# Altium PCB old PT1000_16CH.PCBDOC (part 3 of 5) (continued)
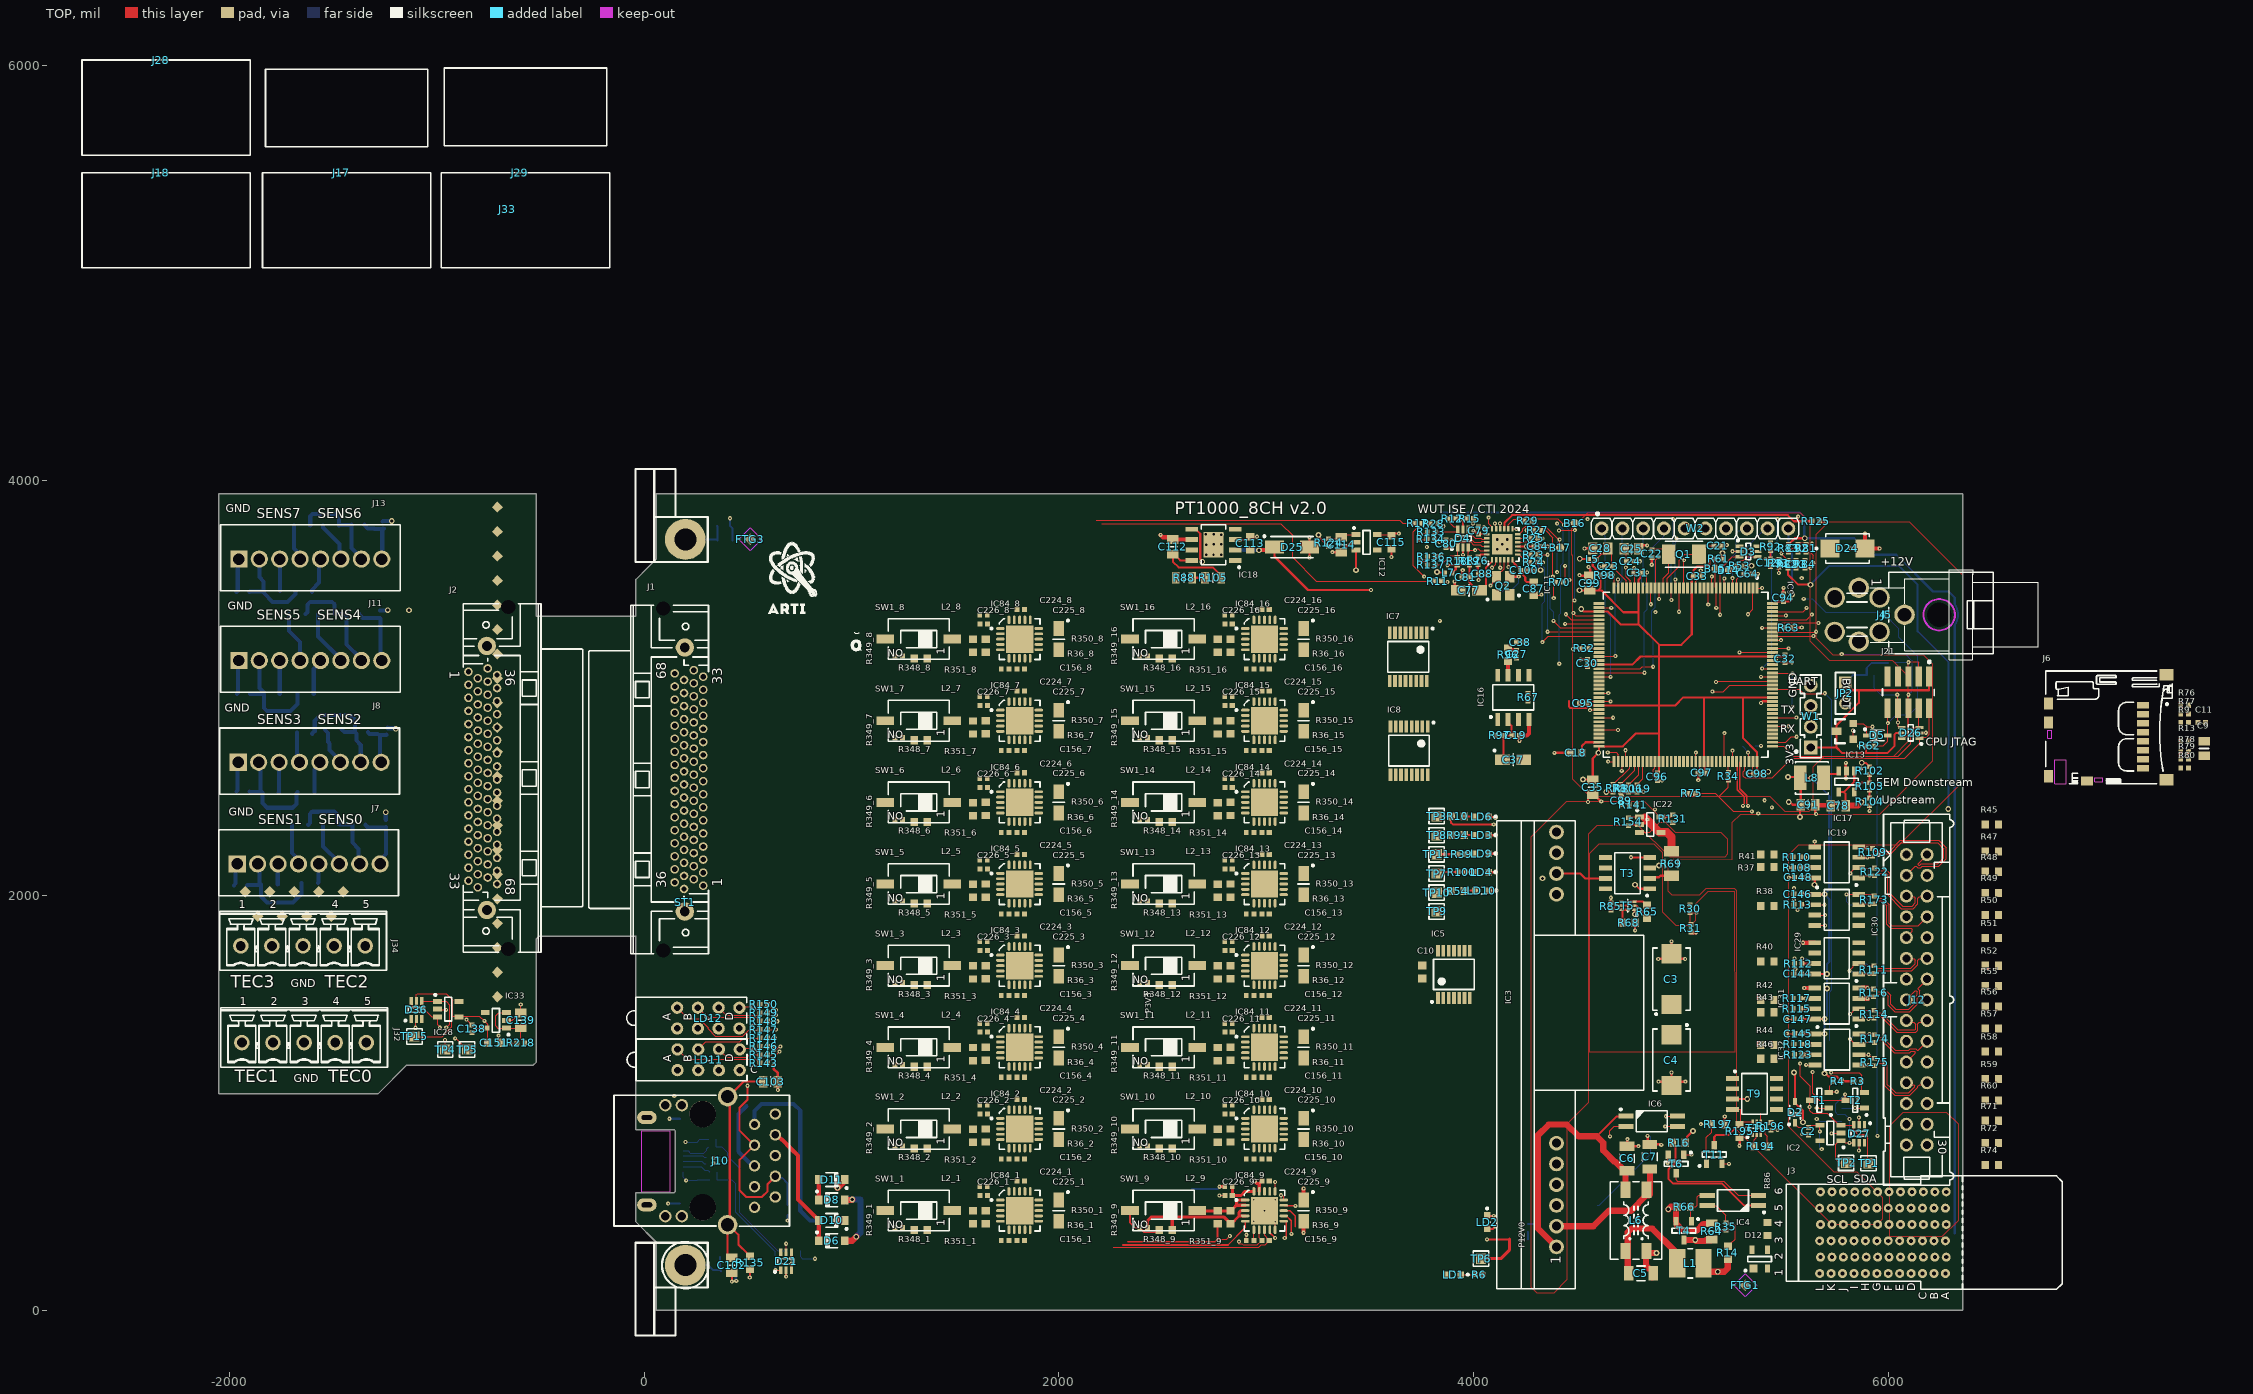
[diagram p0: TOP view]
## Nets (pads, with @x,y where several pads share a name; then routed paths per layer and width w, separated by ;. In a path a pad name is that pad's centre, name@x,y a point inside that pad or via, vN(x,y) a via of type N, cw(c..) or ccw(c..) an arc to the next point about the centre after c; other vN are vias at no path point) (continued)
  TOP w6: IC84_9.16@3043.31,572.83 v1(3043.31,618.23)
  TOP w10: v1(423.4,137.97) C102.2@423.4,181.57 ; v1@511.81,159.45 R135.1@511.81,196.85 ; D21.2@685.04,192.91 685.04,162.33 v1(685.19,162.18) ; v1(3209.13,3629.72) D25.2@3209.13,3679.61 ; D25.2@3209.13,3680.62 v1(3209.13,3726.73) ; v1(3603.54,3631.9) C115.1@3603.54,3670.7 ; LD2.1@4067.9,454.72 v1(4097.59,454.72) ; v1(4779.46,1831.42) 4779.67,1831.63 4779.67,1833.85 4779.52,1834 R68.1@4779.52,1868.42
  TOP w11.81: v1(625.11,1180.36) 625.11,1163.78 645.67,1143.22 C103.2@645.67,1102.36 v1(645.67,1061.94) ; v1(3319.63,3655.45) 3362.05,3655.45 C114.2@3362.44,3655.84 3369.33,3655.84 3384.09,3670.6 3384.09,3677.49 3404.54,3697.94 3428.16,3697.94 IC12.2@3433.3,3703.08 ; C77.2@3909,3489.41 v1(3909,3513.78) ; C81.1@3944.67,3535.43 v1@3944.67,3561.49 ; v1(3949.2,3642.59) D4.2@3949.2,3678.35 ; R26.2@4021.45,3594.69 4021.45,3553.15 C88.1@4024.4,3550.2 v1(4024.4,3521.4) ; LD10.1@4072.38,2023.03 v5@4106.83,2023.03 ; LD4.1@4072.38,2112.43 v5(4106.83,2112.43) ; LD9.1@4072.38,2201.83 v5(4106.83,2201.83) ; LD3.1@4072.38,2291.23 v5(4106.83,2291.23) ; LD6.1@4072.38,2380.63 4074.57,2378.44 4102.95,2378.44 v5(4105.14,2376.25) ; Q2.2@4174,3537.4 v1(4218.25,3537.4) ; C100.1@4265.82,3565.67 v1(4290.93,3565.67) ; v1(4390,2687.74) C18.1@4463.09,2687.74 ; v1(4511.35,3544.75) 4514.04,3542.07 C99.2@4560.15,3542.07 4562.03,3543.95 4562.03,3573.59 4555.23,3580.39 v1(4555.23,3583.86) ; v1(4515.07,3138.52) C30.2@4549.32,3138.52 ; v1(4535.15,3673.27) C28.1@4575.67,3673.27 ; v1(4552,2451) C35.2@4552,2468.05 ; C35.2@4581.98,2486.22 v1@4614.2,2454 ; R8.2@4708.66,2498.43 4709.84,2497.24 R106.2@4748.03,2497.24 R119.2@4787.4,2497.24 4790.13,2499.97 v1(4819.5,2499.97) ; v1(4742.15,825) 4742.15,793.33 C6.1@4740.16,791.34 v1(4795.15,791.34) ; R154.1@4747.16,2337.73 4751.2,2341.76 IC22.2@4801.18,2341.76 4807.09,2347.67 4822.51,2347.67 4823.85,2349 4826.82,2349 4836.17,2358.35 4836.17,2365.46 v1(4837.67,2366.96) ; C25.1@4799.25,3673.68 4813.9,3688.32 v1(4836.96,3688.32) ; v1(4839.29,840.93) 4839.29,810.31 C7.1@4850.39,799.21 4902.94,799.21 v1(4905.15,797) ; v1(4859.66,3594.82) C22.2@4859.66,3630.19 ; v1@4891.2,1693.9 4929.79,1693.9 C3.2@4954.72,1718.83 ; v1(4891.86,1102.22) 4936.83,1102.22 C4.2@4954.72,1084.33 ; v1(4954.72,1146.05) C4.2@4954.72,1084.33 ; v1(4954.72,1778.75) C3.2@4954.72,1718.83 ; v1(5020.74,1693.7) 5020.4,1694.04 4979.52,1694.04 C3.2@4954.72,1718.83 ; v1(5021.38,1102.22) 4978.68,1102.22 4957.76,1081.3 C4.2@4954.72,1084.33 ; v1(5083.77,2556.24) C97.2@5083.77,2591.28 ; v1(5095.72,3567.1) 5095.8,3567.03 5095.8,3539.91 C33.2@5095.88,3539.83 ; C21.2@5194.29,3686.21 5196.72,3688.63 5220.2,3688.63 v1(5221.71,3690.14) ; R197.1@5210.63,897.01 v1@5210.63,933.57 ; v1@5283.07,794.3 R195.1@5283.07,832.53 ; C64.2@5340.66,3550.68 v1(5371.97,3550.68) ; v1(5386.22,2928.15) v1(5386.22,2928.15) 5393.91,2935.77 IC9.120@5441.06,2935.77 ; C94.2@5494.21,3453.49 v1@5494.21,3482.66 ; C32.2@5503.06,3124.74 v1(5535.93,3124.74) ; R63.2@5538.19,3291.34 v1@5581.76,3291.34 ; v1@5648.9,2399.2 C91.2@5648.9,2437.49 ; C78.1@5734.43,2441.74 v1(5758.64,2441.74) ; v1(5795.34,2564.54) 5795.34,2597.21 IC17.2@5798.69,2600.55 IC17.2@5797.21,2599.08 ; IC17.2@5795.74,2600.55 v1(5795.74,2639.58)
  TOP w19.68: v1(3181.1,373.51) C225_9.2@3181.1,429.13 ; R125.1@5669.49,3804.13 v1(5698.82,3804.13)
  TOP w20: v1(2491.14,3739) 2502.94,3727.2 2538.54,3727.2 2549.51,3716.24 2641.44,3716.24 IC18.6@2641.73,3715.94 ; v1(4221.46,2746.2) C19.2@4221.46,2771.65 4256.78,2771.65 4266.8,2781.68 IC16.4@4266.8,2848.87 ; C84.1@4326.37,3683.07 v1(4357.34,3683.07) ; R31.1@5048.57,1823.48 5049.5,1822.56 v1(5072.77,1822.56) ; v1(5589,1771.79) IC29.5@5645.41,1771.79 ; v1(5595.02,1553.9) 5595.14,1553.79 IC31.5@5645.41,1553.79 ; C91.2@5648.9,2437.49 5651.05,2435.35 5721.14,2435.35 C78.1@5723.29,2433.2 ; v1@5820.21,3673.23 D24.2@5887.8,3673.23 ; v1@5887.8,3743.09 D24.2@5887.8,3673.23 ; v1@5958.3,3673.23 D24.2@5887.8,3673.23
  L2 w5: v1(4954.72,1146.05) v1@4955.15,1146.48 ; 5034.52,2366.96 5034.56,2367
  BOT w5: J9.5@188.98,667.32 188.98,640 v1(202.99,625.98) J9.11@255.91,625.98 258.86,628.94 C108.1@316.34,628.94 ; v1(199.99,811.02) J9.10@255.91,811.02 269.88,825 C109.1@311.91,825 ; C36.1@4156.29,3532.48 4209.36,3532.48 4214.28,3537.4 v1(4218.25,3537.4) 4218.25,3508.25 C65.1@4174.78,3464.78 ; C17.1@5355.09,2721.2 v1(5386.19,2721.2) ; v1@5605,1185 5607,1183 5645.54,1183 IC41.5@5646.65,1181.89 ; IC23.4@5644,2239 5645.42,2240.42 v1(5645.42,2259.84) ; IC39.5@5645.42,1855.37 v1(5695.7,1855.37) ; C29.2@6033.18,3121.94 6035.99,3124.74 v1(6096.85,3124.74) v1@6094.04,3121.94
  BOT w10: v1(116.14,513.78) J9.9@173.23,513.78 ; v1(122.05,923.23) J9.8@173.23,923.23 ; v1(414.37,3818.9) 415.06,3818.21 R220.1@415.06,3782.42 426.18,3771.3 C160.2@426.18,3713.06 ; R223.1@429.4,255.4 429.4,200.1 C161.2@442.49,187.01 442.49,137.97 444.92,140.4 v1(444.92,141.59) ; C85.1@692.02,459.52 692.57,458.97 692.57,432.52 v1(693.12,431.98)
  BOT w19.68: R156.1@-1977.5,2049 -1969.62,2056.87 -1969.62,2149.89 J7.1@-1961.55,2157.96 ; R162.1@-1965.5,2501 -1961.05,2505.45 -1961.05,2660.05 J8.1@-1963,2662 ; R181.1@-1964.5,3464 -1959.05,3469.45 -1959.05,3622.64 J13.1@-1953.6,3628.09 ; R170.1@-1963.5,2971 -1958.57,2975.92 -1958.57,3134.13 J11.1@-1953.65,3139.06 ; C130.1@-1273,3373.72 -1271.86,3374.86 -1237.14,3374.86 v2(-1236,3376) ; C131.1@-1260,3803.72 -1258.86,3804.86 -1218.14,3804.86 v2(-1217,3806) ; v2(-1245.75,2401.72) -1245.38,2401.35 -1245.38,2365.09 C128.1@-1245,2364.72 ; C129.1@-1236,2808.72 -1233.64,2806.35 -1201.03,2806.35 -1199.13,2804.46 v2(-1197,2804.46)
  BOT w20: v1(5589,1771.79) IC36.4@5645.41,1771.79 ; v1(5595.02,1553.9) 5645.3,1553.9 IC40.4@5645.41,1553.79
  other v1: 3071.46,554.41 4890.99,1693.7 5652.18,2392.52 5373.03,2395.63 5439,2425.01 5403.87,2458.95 4664.37,3386.81 5818.77,3673.07 5958.3,3673.07 5887.95,3744.89
  other v3: 2746.27,3643.33 2783,3643 2711,3644 2712,3691 2747,3693 2783,3693 2784,3740 2709,3741 2747,3741
  other v4: 3044.8,426.94 2940.94,429.13 2992.13,480.31 2940.94,533.15 3043.31,533.15
  other v5: 4109.78,2023.03
  other v6: 4114.95,3669.29 4162.19,3669.29 4138.57,3692.91 4114.95,3716.54 4162.2,3716.53
HWREV0: IC9.77 R7.1 | length 145.1
  TOP w5: R7.1@4673.23,2535.43 4674.02,2535.43 4752.61,2614.03 4752.61,2641.02 IC9.77@4757,2645.41
HWREV1: IC9.78 R8.1 | length 138.6
  TOP w5: R8.1@4708.66,2535.43 4709.45,2535.43 4776.69,2602.67 IC9.78@4776.69,2645.41
HWREV2: IC9.79 R106.1 | length 131.6
  TOP w5: R106.1@4748.03,2534.25 4748.82,2534.25 4796.37,2581.8 IC9.79@4796.37,2645.41
HWREV3: IC9.80 R119.1 | length 123.5
  TOP w5: R119.1@4787.4,2534.25 4788.19,2534.25 4816.06,2562.12 IC9.80@4816.06,2645.41
I2C1_SCL: IC9.139 | length 223.5
  TOP w5: IC9.139@5441.06,3309.78 5485.4,3309.78 5489.61,3314 v1(5662.78,3314)
I2C1_SDA: IC9.140 | length 200.5
  TOP w5: IC9.140@5441.06,3329.47 5606.7,3329.47 v1(5631.32,3354.09)
I2C4_SCL: R3.1 T2.2 | length 244
  TOP w5: v1(5724.42,1146) 5860.28,1146 5872.32,1133.96 R3.1@5872.32,1103.94 5872.32,1060.1 5882.62,1049.8 T2.2@5885.32,1049.8
I2C4_SDA: R4.1 T1.2 | length 93.4
  TOP w5: R4.1@5736.95,1103.94 5736.95,1103.15 5717.03,1083.24 5717.03,1053.26 v1(5751.46,1053.26)
I2C_SCL: D27.4 IC1.2 IC2.1 J12.27 T2.3 TP2.1 | length 1118.5
  TOP w5: v1(5635.57,1148.62) 5635.57,1045.14 5668.31,1012.4 T2.3@5794.76,1012.4 5792.07,1015.1 v1(5792.07,1040.93) ; TP2.1@5796.65,710.7 5764.15,710.7 5746.16,728.7 5746.16,800.63 5762.54,817.02 5782.22,817.02 5792.07,807.17 v1(5813.1,807.17) D27.4@5834.13,807.17
  L2 w5: v1(5813.04,922) 5838.25,896.79 J12.27@6087.18,896.79
  BOT w5: v1(5792.07,1040.93) 5747,995.87 5747,954 5755,946 5790.33,946 v1@5813.1,923.23 ; v1(5813.1,807.17) v1(5813.04,922)
I2C_SCL.CPCIS: IC5.9 IC5.10
I2C_SDA: D27.3 IC1.1 IC2.3 J12.26 T1.3 TP1.1 | length 1332.7
  TOP w5: v1(5575.07,1188.98) 5575.07,1127.83 5623.03,1079.87 T1.3@5623.03,1012.41 5621,1010.38 v1(5621,980) 5621.57,979.43 5621.57,962.66 5635.57,948.66 5705.7,948.66 5762.54,891.82 IC2.3@5772.38,891.82 5832.17,891.82 D27.3@5834.13,893.79 5834.13,867.59 5853.44,848.28 5881.39,848.28 5900.69,828.98 5900.69,712.97 TP1.1@5905,708.66
  L2 w5: v1(5621,980) 5621,985 5646.89,1010.89 5957.89,1010.89 5982.78,1035.78 6148.18,1035.78 6181.15,1002.82 6187.18,1002.82 J12.26@6187.18,996.79
I2C_SDA.CPCIS: IC5.2 IC5.3
I_meas_P12V0: C89.1 IC9.20 R141.2 | length 229.7
  TOP w5: v1(4991,3368.13) 4992.11,3369.24 4992.11,3478.7 4991,3479.81 IC9.20@4993.22,3482.03
  L2 w5: v1(4877,3366.5) v1@4991,3366.5
  other v1: 4875.11,2414.92
JRST: IC9.134
LED0: IC9.124 R143.1 | length 383.5
  TOP w5: R143.1@595.85,1191.18 595.85,1191.97 650.99,1247.1 v1(653.35,1247.1) ; v1(5151.57,2983.27) 5205.39,2983.27 5236.63,3014.51 IC9.124@5441.06,3014.51
LED1: IC9.125 R144.1 | length 310
  TOP w5: R144.1@595.85,1312.47 v1(632.09,1312.47) ; v1(5169.29,3029.37) 5171.7,3031.78 5438.65,3031.78 IC9.125@5441.06,3034.19
LED2: IC9.59 R145.1 | length 124.2
  TOP w5: R145.1@595.85,1231.61 614.77,1231.61 632.56,1249.4 632.56,1250.84 650.35,1268.63 654.64,1268.63 v1(657.45,1271.44) ; IC9.59@4604.44,2975.14 4604.57,2975.27 4649.48,2975.27 v1(4649.61,2975.39)
LED3: IC9.63 R146.1 | length 78
  TOP w5: R146.1@595.85,1272.04 596.2,1272.38 v1(629.58,1272.38) ; v1(4561.56,2893.47) 4570.01,2893.47 4572.94,2896.4 IC9.63@4604.44,2896.4
LED4: IC9.65 R147.1 | length 109.5
  TOP w5: R147.1@595.85,1352.9 v1(636.56,1352.9) ; IC9.65@4604.44,2857.03 v1(4673.23,2857.03)
LED5: IC9.132 R148.1 | length 206.1
  TOP w5: R148.1@595.85,1393.33 v1(643.31,1393.33) ; v1(5282.48,3172.15) 5282.56,3172.07 5440.98,3172.07 IC9.132@5441.06,3171.99
LED6: IC9.68 R149.1 | length 137.1
  TOP w5: R149.1@595.85,1433.76 606.68,1422.93 v1(635.92,1422.93) ; IC9.68@4604.44,2797.97 v1(4697.01,2797.97)
LED7: IC9.93 R150.1 | length 95.4
  TOP w5: R150.1@595.85,1474.19 622.14,1447.91 v1(636.84,1447.91) ; IC9.93@5071.96,2645.41 v1(5071.96,2688.98)
LEDR: IC11.2 R17.1 R28.1 | length 727.7
  TOP w6: v1(3761.98,3537.4) 3709.56,3589.82 3709.56,3753.25 3741.35,3785.04 3742.14,3785.04 3750.55,3793.46 R17.1@3750.55,3794.24 3789.92,3794.24 R28.1@3790.85,3793.31 ; v1(4089.36,3580.39) 4106.53,3597.56 4106.53,3615.6 IC11.2@4109.04,3618.11
  L2 w6: v1(3761.98,3537.4) 3884.64,3537.4 3898.2,3550.96 4059.94,3550.96 v1(4089.36,3580.39)
LEDY: IC11.3 R11.1 | length 351.7
  TOP w6: R11.1@3845.28,3515.75 3849.73,3511.29 v1(3874.09,3511.29) ; v1(4128.73,3580.36) IC11.3@4128.73,3618.11
  L2 w6: v1(3874.09,3511.29) 3902.76,3539.96 4088.33,3539.96 v1(4128.73,3580.36)
LVDS0_N: IC19.4 IC23.5 J12.3 R47.2 R109.2 | length 752
  TOP w5.98: v1(5899,2227.13) 5902.71,2227.13 5905.35,2224.49 5922.94,2224.49 R109.2@5924.98,2226.53 5925.77,2226.53 5934.19,2218.11 5934.19,2217.53 5937.7,2214.02 6006.22,2214.02 6057.84,2265.64 6243.22,2265.64 6279.7,2229.15 6279.7,2177.57 6242.62,2140.49 6164.76,2140.49 6157.32,2133.06 6142.44,2133.06 6135.42,2140.07 6130.47,2140.07 J12.3@6087.18,2096.79
  BOT w5: IC23.5@5858.02,2234.29 5865.3,2227 v1@5899,2227
LVDS0_P: IC19.3 IC23.6 J12.2 R45.2 R109.1 | length 701.2
  TOP w5.98: v1(5899,2182.33) 5902.71,2182.33 5905.35,2184.97 5920.43,2184.97 R109.1@5924.98,2189.52 5925.77,2189.52 5934.19,2197.95 5934.19,2198.53 5937.7,2202.04 6011.19,2202.04 6062.81,2253.65 6238.25,2253.65 6247.43,2244.47 6255.91,2236 6267.72,2224.19 6267.72,2182.54 6237.66,2152.48 6159.8,2152.48 6152.36,2145.04 6147.4,2145.04 6143.9,2148.55 6143.9,2153.5 J12.2@6187.18,2196.79
  BOT w5: IC23.6@5858.02,2184.29 5859.98,2182.33 v1(5899,2182.33)
LVDS1_N: IC19.1 IC23.7 J12.6 R49.2 R122.1 | length 587
  TOP w5.98: IC19.1@5858.02,2084.29 5876.72,2084.29 5887.43,2095 5909,2095 R122.1@5934.69,2095 5935.47,2095 5943.9,2103.42 5943.9,2104 5947.4,2107.51 5990.08,2107.51 5998.63,2098.96 5998.63,2002.25 6063.82,1937.07 6121.36,1937.07 6143.17,1958.88 6143.17,1986.28 6150.21,1993.33 6183.72,1993.33 J12.6@6187.18,1996.79
  BOT w5: IC23.7@5858.02,2134.29 5894.66,2134.29 5909,2119.95 v1(5909,2097)
LVDS1_P: IC19.2 IC23.8 J12.5 R48.2 R122.2 | length 589.7
  TOP w5.98: v1(5817.01,2106.59) 5817.01,2109.48 5824.48,2116.95 5824.48,2117.68 5830.5,2123.69 5830.5,2125.47 5839.32,2134.29 IC19.2@5858.02,2134.29 5860.3,2132 R122.2@5934.69,2132 5935.47,2132 5943.9,2123.58 5943.9,2123 5947.4,2119.49 5995.04,2119.49 6010.62,2103.92 6010.62,2007.22 6029.75,1988.08 6033.99,1983.85 6068.78,1949.05 6116.4,1949.05 6131.19,1963.84 6131.19,1986.28 6124.15,1993.33 6090.64,1993.33 J12.5@6087.18,1996.79
  BOT w5: v1(5817.01,2106.59) 5819,2104.6 5839.32,2084.29 IC23.8@5858.02,2084.29
LVDS2_N: IC30.7 IC39.1 J12.9 R51.2 R173.1 | length 509.2
  TOP w5.98: IC30.7@5858.01,1955.38 5862.48,1959.84 R173.1@5932.4,1959.84 5933.19,1959.84 5947.65,1974.3 5964.47,1974.3 5970.46,1974.3 5993.41,1951.35 5993.41,1860.66 6012.55,1841.52 6111.47,1841.52 6114.97,1838.01 6114.97,1826.23 6087.18,1798.44 J12.9@6087.18,1796.79
  BOT w5: IC39.1@5858.02,2005.37 5876.72,2005.37 5909,1973.09 v1(5909,1955.37)
LVDS2_P: IC30.8 IC39.2 J12.8 R50.2 R173.2 | length 623.3
  TOP w5.98: v1(5798.69,2005.28) 5798.79,2005.38 5919.69,2005.38 5919.79,2005.28 5923.98,2005.28 R173.2@5932.4,1996.85 5933.19,1996.85 5943.76,1986.28 5954.94,1986.28 5975.43,1986.28 6005.4,1956.31 6005.4,1865.62 6017.52,1853.5 6116.43,1853.5 6135.42,1853.5 6143.9,1853.5 J12.8@6187.18,1896.79
  BOT w5: v1(5798.69,2005.28) 5798.69,1969.72 5813.04,1955.37 IC39.2@5858.02,1955.37
LVDS3_N: IC29.1 IC36.7 J12.12 R55.2 R111.1 | length 465.2
  TOP w5.98: IC29.1@5858.01,1621.79 5859.84,1623.62 R111.1@5930.97,1623.62 5931.76,1623.62 5940.18,1632.04 5940.18,1632.62 5943.69,1636.13 5972.77,1636.13 5973.63,1636.99 6113.95,1636.99 6143.17,1666.21 6143.17,1686.73 6150.21,1693.77 6184.17,1693.77 J12.12@6187.18,1696.79
  BOT w5: IC36.7@5858.01,1671.79 5894.66,1671.79 5909,1657.45 v1@5909,1621.79
  other v1: 5907.03,1621.79
LVDS3_P: IC29.2 IC36.8 J12.11 R52.2 R111.2 | length 471.7
  TOP w5.98: v1(5813.04,1636.93) 5831.43,1655.32 5831.43,1662.97 5840.25,1671.79 IC29.2@5858.01,1671.79 5876.71,1671.79 5887.87,1660.63 R111.2@5930.97,1660.63 5931.76,1660.63 5940.18,1652.2 5940.18,1651.62 5943.69,1648.11 5967.8,1648.11 5968.66,1648.97 6108.99,1648.97 6131.19,1671.17 6131.19,1686.73 6124.15,1693.77 6090.19,1693.77 J12.11@6087.18,1696.79
  BOT w5: v1(5813.04,1636.93) 5814.21,1636.93 5820.04,1631.1 5848.7,1631.1 IC36.8@5858.01,1621.79
LVDS4_N: IC31.4 IC40.5 J12.15 R57.2 R116.2 | length 516.8
  TOP w5: IC31.4@5858.01,1553.79 v1(5899,1553.79) 5915.39,1553.79 R116.2@5921.26,1547.91
  TOP w5.98: R116.2@5929.14,1548.5 5929.93,1548.5 5938.35,1540.08 5938.35,1539.5 5941.86,1535.99 5994.83,1535.99 6012.29,1518.53 6012.29,1475.17 6037.26,1450.2 6098.53,1450.2 6127.65,1479.32 6127.65,1510.05 6138.93,1521.33 6138.93,1536.57 6135.42,1540.07 6130.47,1540.07 J12.15@6087.18,1496.79
  BOT w5: IC40.5@5858.01,1553.79 v1(5899,1553.79)
LVDS4_P: IC31.3 IC40.6 J12.14 R56.2 R116.1 | length 555.2
  TOP w5.98: IC31.3@5858.01,1503.79 5865.72,1511.5 R116.1@5929.14,1511.5 5929.93,1511.5 5938.35,1519.92 5938.35,1520.5 5941.86,1524.01 5989.86,1524.01 5995.35,1518.53 6000.31,1513.56 6000.31,1470.2 6003.82,1466.69 6032.3,1438.21 6103.49,1438.21 6139.64,1474.36 6139.64,1505.09 6150.91,1516.36 6150.91,1541.53 6143.9,1548.55 6143.9,1553.5 J12.14@6187.18,1596.79
  BOT w5: IC40.6@5858.01,1503.79 v1(5899,1503.79)
LVDS5_N: IC31.1 IC40.7 J12.18 R59.2 R114.1 | length 492.4
  TOP w5.98: IC31.1@5858.01,1403.79 5863.87,1409.65 R114.1@5931.76,1409.65 5932.55,1409.65 5940.97,1418.07 5940.97,1418.65 5944.48,1422.16 5952.94,1422.16 5957.62,1417.48 5963.7,1417.48 5991.84,1389.34 5991.84,1388.41 6037.88,1342.37 6039.29,1342.37 6040.8,1340.86 6133.23,1340.86 6143.17,1350.8 6143.17,1380.68 6150.6,1388.1 6178.5,1388.1 J12.18@6187.18,1396.79
  BOT w5: IC40.7@5858.01,1453.79 5876.71,1453.79 5886.02,1444.48 5886.02,1433.63 5905.03,1414.63 v1(5905.03,1403.79)
LVDS5_P: IC31.2 IC40.8 J12.17 R58.2 R114.2 | length 501.9
  TOP w5.98: v1(5815.94,1428.15) 5830.49,1442.7 5830.49,1444.97 5839.31,1453.79 IC31.2@5858.01,1453.79 5865.14,1446.65 R114.2@5931.76,1446.65 5932.55,1446.65 5940.97,1438.23 5940.97,1437.65 5944.48,1434.14 5963.98,1434.14 6003.82,1394.31 6003.82,1393.38 6013.28,1383.92 6045.35,1351.85 6128.68,1351.85 6132.19,1355.35 6132.19,1379.68 6123.77,1388.1 6095.86,1388.1 J12.17@6087.18,1396.79
  BOT w5: v1(5815.94,1428.15) 5815.94,1427.16 5839.31,1403.79 IC40.8@5858.01,1403.79
LVDS6_N: IC32.7 IC41.1 J12.21 R71.2 R174.1 | length 484.8
  TOP w5.98: v1(5815.94,1306.97) 5831.73,1291.18 5831.73,1290.71 5840.55,1281.89 IC32.7@5859.25,1281.89 5877.95,1281.89 5887.56,1291.5 R174.1@5934.69,1291.5 5935.47,1291.5 5943.9,1299.92 5943.9,1300.5 5947.4,1304.01 5965.57,1304.01 6027.94,1241.63 6104.82,1241.63 6111.72,1248.53 6126.96,1248.53 6130.47,1245.03 6130.47,1240.07 J12.21@6087.18,1196.79
  BOT w5: v1(5815.94,1306.97) 5815.94,1307.28 5840.55,1331.89 IC41.1@5859.25,1331.89
LVDS6_P: IC32.8 IC41.2 J12.20 R60.2 R174.2 | length 465.9
  TOP w5.98: IC32.8@5859.25,1331.89 5862.64,1328.5 R174.2@5934.69,1328.5 5935.47,1328.5 5943.9,1320.08 5943.9,1319.5 5947.4,1315.99 5970.53,1315.99 5990.45,1296.08 6001.89,1284.64 6032.91,1253.61 6099.85,1253.61 6106.76,1260.52 6131.92,1260.52 6138.94,1253.5 6143.9,1253.5 J12.20@6187.18,1296.79
  BOT w5: IC41.2@5859.25,1281.89 5877.95,1281.89 5887.26,1291.2 5887.26,1306.97 5909,1328.71 v1(5909,1331.89)
LVDS7_N: IC32.5 IC41.4 J12.24 R74.2 R175.2 | length 525.4
  TOP w5.98: IC32.5@5859.25,1181.89 5862.86,1178.28 R175.2@5934.69,1178.28 5935.47,1178.28 5943.9,1186.71 5943.9,1187.29 5947.4,1190.8 5965.98,1190.8 5983.36,1173.42 5983.36,1083.38 6030.47,1036.28 6104.54,1036.28 6143.17,1074.91 6143.17,1079.87 6151,1087.7 6178.09,1087.7 J12.24@6187.18,1096.79
  BOT w5: IC41.4@5859.25,1181.89 v1(5905.03,1181.89)
LVDS7_P: IC32.6 IC41.3 J12.23 R72.2 R175.1 | length 508.9
  TOP w5.98: IC32.6@5859.25,1231.89 v1(5905.03,1231.89) 5917.01,1219.9 5930.07,1219.9 R175.1@5934.69,1215.29 5935.47,1215.29 5943.9,1206.87 5943.9,1206.29 5947.4,1202.78 5970.95,1202.78 5976.28,1197.45 5995.35,1178.38 5995.35,1088.34 6003.82,1079.87 6035.43,1048.26 6099.58,1048.26 6128.71,1077.39 6128.71,1082.35 6123.36,1087.7 6096.27,1087.7 J12.23@6087.18,1096.79
  BOT w5: IC41.3@5859.25,1231.89 v1(5905.03,1231.89)
MAX_CH_A0: IC7.1 IC8.1 IC9.141 R42.1 | length 65.3
  TOP w5: IC9.141@5441.06,3349.15 5441.48,3349.58 5505.58,3349.58 v1(5506,3350)
MAX_CH_A1: IC7.2 IC8.2 IC9.142 R43.1 | length 173.6
  TOP w5: IC9.142@5441.06,3368.84 5511.69,3368.84 5589.87,3368.84 5606.7,3385.67 v1(5606.7,3386.61)
MAX_CH_A2: IC7.3 IC8.3 IC9.1 R44.1 | length 1644.3
  TOP w5: IC9.1@5367.24,3482.03 5391.3,3482.03 v1(5391.77,3482.5)
  L2 w5: v1(3837.81,3324) 4313.22,3324 4439.14,3449.92 4557.44,3449.92 4572.97,3465.46 5374.73,3465.46 v1(5391.77,3482.5)
MAX_CH_A3: IC7.5 IC8.6 IC9.2 R46.1 | length 135.8
  TOP w5: v1(5323.94,3356.04) 5347.55,3379.66 5347.55,3418.99 IC9.2@5347.55,3482.03
MAX_CS00: IC7.15 IC84_1.13
MAX_CS01: IC7.14 IC84_2.13
MAX_CS02: IC7.13 IC84_3.13
MAX_CS03: IC7.12 IC84_4.13
MAX_CS04: IC7.11 IC84_5.13
MAX_CS05: IC7.10 IC84_6.13
MAX_CS06: IC7.9 IC84_7.13
MAX_CS07: IC7.7 IC84_8.13
MAX_CS08: IC8.15 IC84_9.13 | length 117.3
  TOP w7.87: IC84_9.13@3084.65,480.31 3085.69,479.27 3114.78,479.27 3141.2,452.85 3141.2,403.5
MAX_CS09: IC8.14 IC84_10.13
MAX_CS10: IC8.13 IC84_11.13
MAX_CS11: IC8.12 IC84_12.13
MAX_CS12: IC8.11 IC84_13.13
MAX_CS13: IC8.10 IC84_14.13
MAX_CS14: IC8.9 IC84_15.13
MAX_CS15: IC8.7 IC84_16.13
NetC5_1: C5.1 L6.2 R64.2 T4.3 | length 538.8
  TOP w30: L6.2@4833.46,285.43 4831.15,283.12 4831.15,216.01 4848.72,198.43 4858.57,198.43 4862.2,194.8 C5.1@4862.2,157.48 ; L6.2@4839.29,275.59 v2(4881.89,275.59) ; T4.3@5019.68,334.65 5024.04,339 v2(5069.15,339) 5074.15,334 5118.02,334 5120.95,336.93 5144.45,336.93 R64.2@5148.15,340.63
  L2 w30: v2(4881.89,275.59) 5005.74,275.59 v2(5069.15,339)
NetC5_2: C5.2 L1.2 L6.1 | length 542.2
  TOP w30: C5.2@4744.09,177.17 4744.09,285.43 4744.09,376.13 4761.67,393.7 4862.2,393.7 4967.91,287.99 4967.91,241.24 L1.2@4983.16,226
NetC6_2: C6.2 IC3.1 IC6.1 L6.4 | length 1389.1
  TOP w10: 4594.11,838.96 4689.98,934.83 4733.89,934.83 IC6.1@4735.54,936.48
  TOP w30: IC3.1@4400,305.24 4310.2,395.04 4310.2,842.43 4362.8,895.04 4450.42,895.04 4506.5,838.96 4594.11,838.96 4625.98,807.09 4625.98,770.55 4682.2,714.33 4686.26,714.33 4724.41,676.18 C6.2@4724.41,669.29 ; L6.4@4733.46,580.71 C6.2@4733.46,658.66
NetC7_2: C7.2 IC3.2 L6.3 | length 651.9
  TOP w30: IC3.2@4400,405.24 4578.04,405.24 4652.92,480.11 4760.03,480.11 4833.46,553.54 L6.3@4833.46,580.71 ; L6.3@4844.88,553.54 4850.39,559.06 C7.2@4850.39,681.1
NetC17_2: C17.2 IC9.106 | length 89
  TOP w5: v1(5323.94,2688.98) 5327.87,2685.05 IC9.106@5327.87,2645.41
  BOT w5: C17.2@5296.03,2721.2 5321.13,2696.11 5321.13,2691.79 v1(5323.94,2688.98)
NetC18_2: C18.2 IC9.71 | length 122.8
  TOP w10: C18.2@4522.14,2687.74 4522.14,2720.64 4540.42,2738.92 IC9.71@4604.44,2738.92
NetC19_1: C19.1 C37.1 IC16.2 R97.2 | length 248.1
  TOP w10: C37.1@4139.76,2654.53 4144.49,2659.25 R97.2@4144.49,2771.65 C19.1@4186.02,2771.65 4183.4,2774.28 4183.4,2817.5 4177.54,2823.35 4173.62,2823.35 4166.8,2830.16 IC16.2@4166.8,2848.87
NetC21_1: C21.1 IC9.23 Q1.1 | length 360.7
  TOP w5: IC9.23@4934.17,3482.03 4934.17,3530.51 4991.1,3587.45 4991.1,3616.63 5019.52,3645.05 Q1.1@5087.29,3645.05 5118.25,3676.01 5118.25,3686.21 C21.1@5158.86,3686.21